# Altium PCB PCB_Kasli.PCBDOC (part 4 of 14)
Units mm, origin at the board's own origin, x right, y up, seen from the top; angles counter-clockwise.
Board outline 162.29 x 100 mm, 6 copper layers (TopLayer, MidLayer1, MidLayer2, SignalLayer1, Internal Plane 1, BottomLayer), stack 1.528 mm thick; 646 components, 567 nets, 2756 pads, 1560 vias.
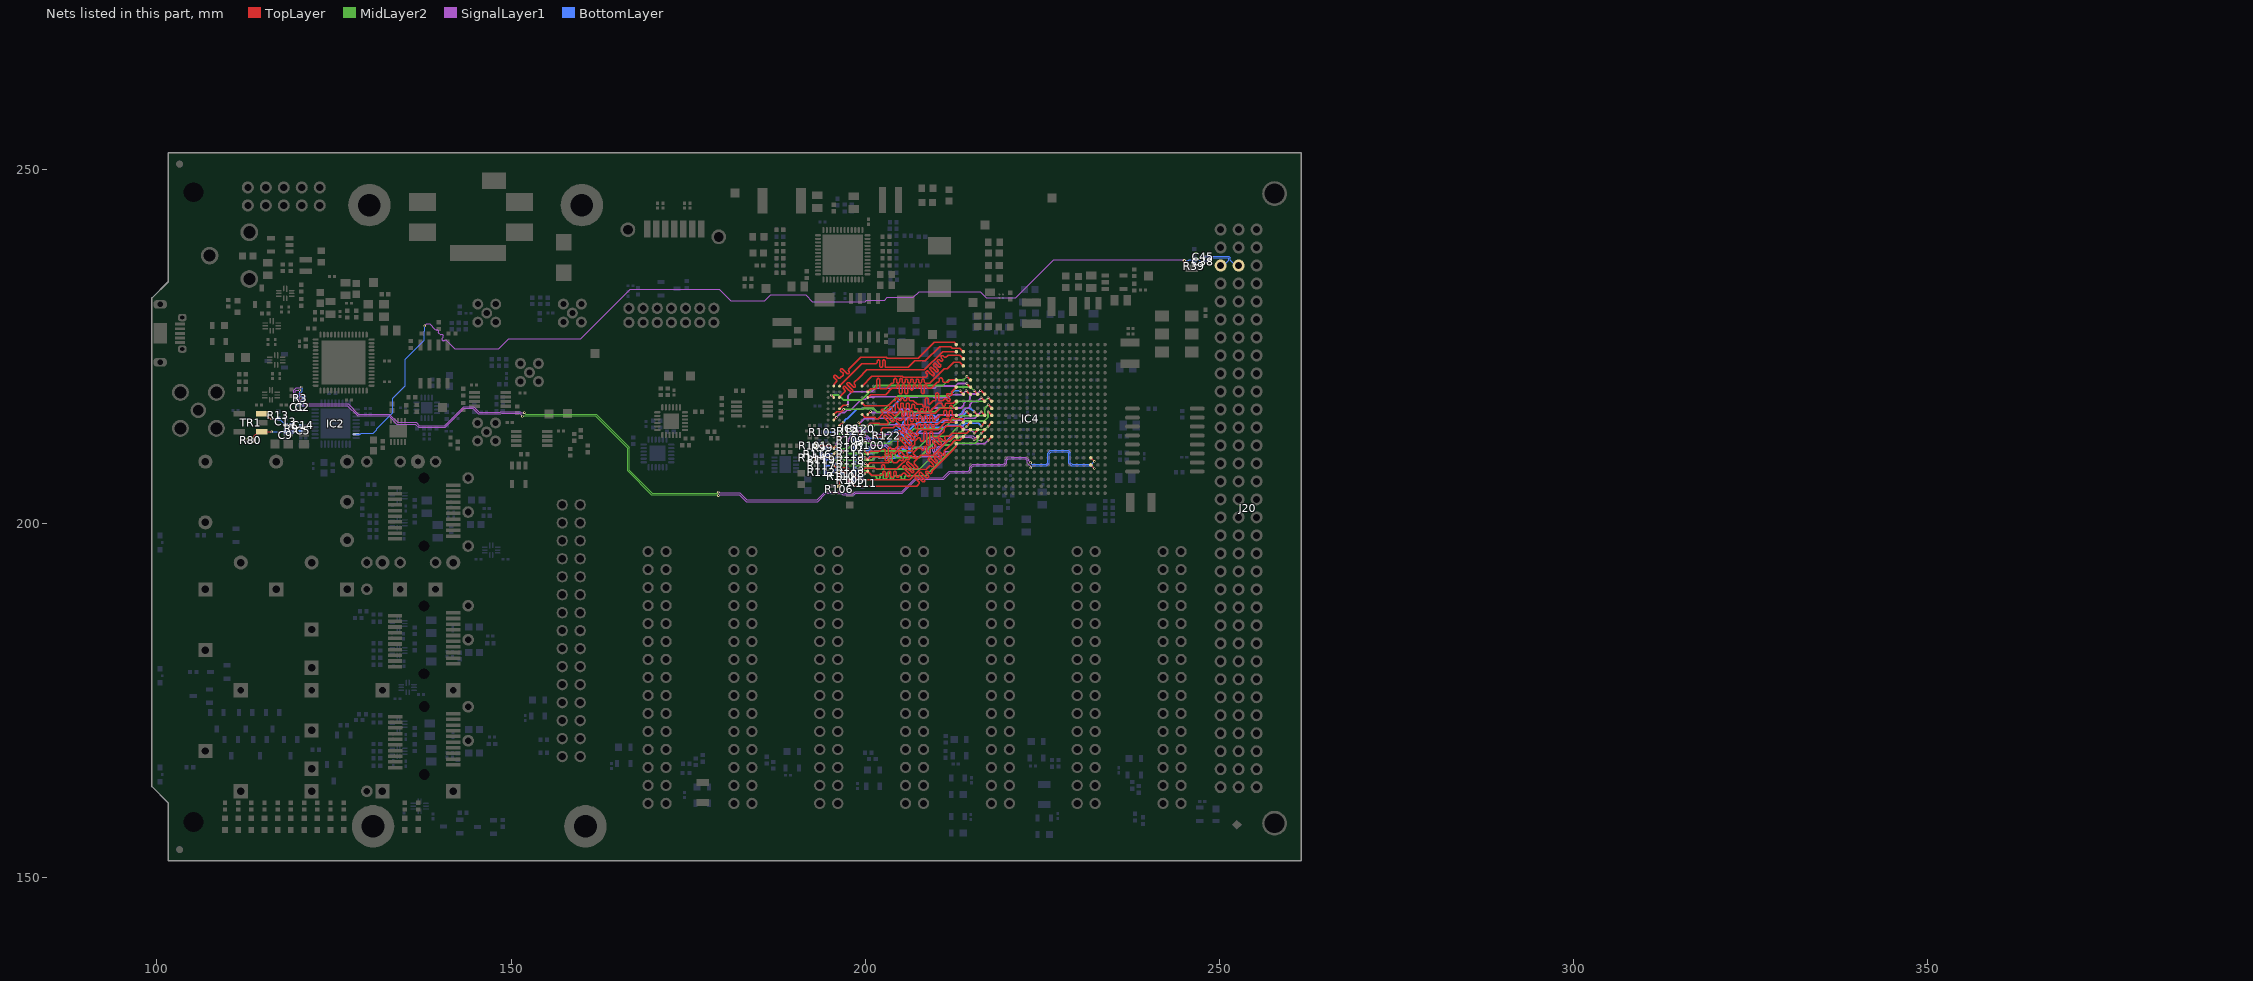
[diagram p8: the nets of this part, all layers, seen from the top]

## Via types
v1: diameter 0.5, hole 0.2, TopLayer to BottomLayer, tented both sides, 724 vias
v2: diameter 0.35, hole 0.15, TopLayer to BottomLayer, tented both sides, 628 vias
v3: diameter 0.8, hole 0.5, TopLayer to BottomLayer, tented both sides, 122 vias
v4: diameter 0.8, hole 0.5, TopLayer to BottomLayer, 66 vias
v5: diameter 0.5, hole 0.2, TopLayer to BottomLayer, 20 vias

## Nets (pads, with @x,y where several pads share a name; then routed paths per layer and width w, separated by ;. In a path a pad name is that pad's centre, name@x,y a point inside that pad or via, vN(x,y) a via of type N, cw(c..) or ccw(c..) an arc to the next point about the centre after c; other vN are vias at no path point) (continued)
CKOUT_D_2_P: C38.1 IC2.35 R39.2 | length 141.4
  SignalLayer1 w0.165: v2(137.795,227.955) 137.795,227.995 138.01,228.21 ; 138.05,228.25 138.5,228.25 139.25,227.5 139.414,227.336 cw(c139.549,227.201) 139.683,227.336 139.743,227.276 cw(c139.609,227.141) 139.743,227.007 140.072,226.678 cw(c140.206,226.544) 140.341,226.678 140.401,226.618 cw(c140.266,226.484) 140.401,226.349 140.299,226.248 ccw(c140.464,226.083) 140.299,225.919 ccw(c140.464,226.083) 140.628,225.919 ; 140.565,225.856 cw(c140.73,225.692) 140.894,225.856 141,225.75 142.025,224.725 148.297,224.725 149.697,226.125 159.825,226.125 166.825,233.125 179.403,233.125 181.042,231.486 185.836,231.486 186.675,232.325 191.595,232.325 192.54,231.38 200.01,231.38 200.23,231.6 202.75,231.6 203.125,231.975 206.822,231.975 207.636,232.789 216.261,232.789 217.1,231.95 221.272,231.95 226.622,237.3 241.5,237.3 244.924,237.3 v1(245.087,237.137)
  BottomLayer w0.095: IC2.35@128.122,212.649 128.695,212.649 128.826,212.78 130.516,212.78 131.045,213.309 131.045,213.445 133.309,215.709 133.309,217.709 135.07,219.47 135.07,223.245 137.77,225.945 137.77,227.225 137.795,227.25 v2(137.795,227.955) ; v1(245.087,237.137) 245.569,237.137 245.608,237.175 245.748,237.315 246.005,237.315 R39.2@246.45,236.87 246.845,237.265 247.11,237.265 C38.1@247.375,237
CLK_EXT_N: C45.2 J20.b3 | length 5.4
  BottomLayer w0.095: C45.2@248.075,237.725 248.348,237.725 248.398,237.775 251.111,237.775 251.361,237.775 251.545,237.591 251.545,237.25 252.321,236.474 J20.b3@252.73,236.474
CLK_EXT_P: C38.2 J20.c3 | length 5.2
  BottomLayer w0.095: C38.2@248.075,237 248.63,237.555 251.27,237.555 251.325,237.5 251.325,237.2 250.599,236.474 J20.c3@250.19,236.474
CLK_SMA_IN_N: C13.1 C14.1 R9.1 R13.2 TR1.1 | length 6.4
  TopLayer w0.095: TR1.1@114.815,215.537 115.272,215.537 115.976,214.833 v2(116.18,214.833)
  BottomLayer w0.095: v2(116.18,214.833) 117.145,214.833 117.289,214.833 C13.1@118.193,213.929 119.05,213.929 119.241,213.929 R9.1@119.25,213.92 ; R9.1@119.25,213.857 119.25,213.725 119.3,213.675 120.08,213.675 C14.1@120.3,213.895
CLK_SMA_IN_P: C5.1 C9.2 R9.2 R80.2 TR1.3 | length 7.2
  TopLayer w0.095: R80.2@113.695,211.825 113.695,212.345 TR1.3@114.347,212.997 ; TR1.3@114.815,212.997 v2(116.198,212.997)
  BottomLayer w0.095: v2(116.198,212.997) 119.233,212.997 R9.2@119.25,212.98 ; R9.2@118.988,213.133 C5.1@120.3,213.133
CLKREC_N: C2.1 IC4.V20 R3.1 | length 137.2
  TopLayer w0.095: IC4.V20@231.872,208.315 v2(232.372,207.815)
  MidLayer2 w0.115: v2(151.6,215.2) 151.778,215.2 151.828,215.25 161.9,215.25 166.45,210.7 166.45,207.468 169.828,204.09 179.218,204.09 179.284,204.024 v2(179.284,203.985)
  SignalLayer1 w0.115: v2(120.4,219.325) 120.318,219.243 119.686,219.243 119.29,218.847 119.29,218.028 120.628,216.69 126.885,216.69 128.32,215.255 132.712,215.255 133.886,214.081 136.503,214.081 136.969,213.615 140.715,213.615 143.4,216.3 144.619,216.3 145.4,215.519 148.572,215.519 148.66,215.607 151.192,215.607 v2(151.6,215.2) ; v2(179.284,203.985) 179.325,203.985 179.481,204.141 182.226,204.141 183.218,203.15 193.301,203.15 194.437,204.286 196.614,204.286 196.825,204.075 198.462,204.075 198.672,204.286 205.243,204.286 207.231,206.273 211.076,206.273 211.993,207.19 214.206,207.19 214.214,207.197 214.667,207.197 215.003,207.533 215.003,207.894 215.307,208.197 215.628,208.197 215.638,208.208 216.106,208.208 216.116,208.197 216.628,208.197 216.638,208.208 217.106,208.208 217.116,208.197 217.628,208.197 217.638,208.208 218.106,208.208 218.116,208.197 218.628,208.197 218.638,208.208 219.106,208.208 219.116,208.197 219.628,208.197 219.99,208.559 219.99,208.98 220.227,209.218 220.544,209.218 220.564,209.197 222.603,209.197 222.875,208.925 222.875,208.625 222.99,208.51 222.99,208.47 223.214,208.246 223.254,208.246 223.368,208.132 v2(223.368,207.899) 223.388,207.899 223.392,207.895 v2@223.381,207.885
  BottomLayer w0.095: v2(120.4,219.325) 120.4,219.3 120.525,219.175 120.525,219.052 120.525,218.743 120.503,218.722 120.503,218.706 120.373,218.576 120.373,218.072 R3.1@120.72,217.725 120.673,217.677 120.642,217.677 120.29,217.325 120.29,217.084 C2.1@120.573,216.8 ; v2(223.368,207.899) 223.691,208.223 225.653,208.223 225.992,208.562 225.992,209.882 226.262,210.151 228.563,210.151 228.752,209.961 228.752,208.553 229.118,208.187 229.526,208.187 ; 229.527,208.187 230.217,208.187 ; 230.218,208.187 230.526,208.187 231.217,208.187 231.526,208.187 ; 231.527,208.187 232,208.187 v2(232.372,207.815)
CLKREC_P: C1.1 IC4.U20 R3.2 | length 136.9
  TopLayer w0.095: IC4.U20@231.872,209.315 v2(232.372,208.815)
  MidLayer2 w0.115: v2(151.875,215.7) 152.09,215.485 161.997,215.485 166.685,210.797 166.685,207.565 169.925,204.325 179.083,204.325 179.125,204.367 179.166,204.367 v2(179.284,204.485)
  SignalLayer1 w0.115: v2(120.131,218.861) 119.636,218.861 119.525,218.75 119.525,218.125 ccw(c119.672,218.272) 119.818,218.125 120.02,218.327 cw(c120.167,218.18) 120.313,218.327 cw(c120.167,218.18) 120.313,218.033 120.112,217.832 ccw(c120.259,217.685) 120.112,217.538 ccw(c120.259,217.685) 120.405,217.538 120.607,217.74 cw(c120.754,217.593) 120.9,217.74 cw(c120.754,217.593) 120.9,217.446 120.699,217.245 ccw(c120.846,217.098) 120.699,216.951 120.725,216.925 120.775,216.925 126.982,216.925 128.417,215.49 132.81,215.49 133.984,214.316 136.6,214.316 137.066,213.85 140.618,213.85 143.303,216.535 144.717,216.535 145.497,215.754 148.475,215.754 148.563,215.842 151.29,215.842 151.367,215.765 151.416,215.716 151.859,215.716 v2(151.875,215.7) ; v2(179.284,204.485) 179.363,204.485 179.472,204.376 182.324,204.376 183.315,203.385 193.204,203.385 194.34,204.521 196.712,204.521 196.922,204.31 198.364,204.31 198.575,204.521 205.146,204.521 207.133,206.508 210.979,206.508 211.895,207.425 214.109,207.425 214.116,207.432 214.57,207.432 214.768,207.631 214.768,207.991 215.21,208.432 215.53,208.432 215.54,208.443 216.204,208.443 216.214,208.432 216.53,208.432 216.54,208.443 217.204,208.443 217.214,208.432 217.53,208.432 217.54,208.443 218.204,208.443 218.214,208.432 218.53,208.432 218.541,208.443 219.204,208.443 219.214,208.432 219.53,208.432 219.755,208.657 219.755,209.077 220.13,209.453 220.642,209.453 220.662,209.432 222.7,209.432 223.11,209.022 223.11,208.89 v2(223.372,208.628)
  BottomLayer w0.095: C1.1@119.811,216.8 120.095,217.084 120.095,217.41 R3.2@119.78,217.725 120.153,218.098 120.131,218.119 v2(120.131,218.861) ; v2(223.372,208.628) 223.558,208.443 225.562,208.443 225.772,208.653 225.772,209.973 226.17,210.371 228.654,210.371 228.972,210.053 228.972,208.644 229.209,208.407 229.617,208.407 ; 229.618,208.407 230.126,208.407 230.617,208.407 231.126,208.407 231.617,208.407 231.964,208.407 v2(232.372,208.815)
DDR3_A0: IC4.L6 IC8.N3 R119.1 | length 27.5
  TopLayer w0.19: v2(195.985,209.51) 196.032,209.51 196.367,209.846 IC8.N3@196.367,209.849 ; v2(217.372,215.815) IC4.L6@217.872,215.315
  MidLayer2 w0.24: v2(195.985,209.51) 197.085,209.51 197.5,209.925 199.707,209.925 199.776,209.855 200.145,209.855 200.365,210.075 201.798,210.075 202.017,210.294 204.925,210.294 206.544,210.294 207.025,210.775 207.585,210.775 209.176,212.366 211.87,212.366 211.895,212.39 212.155,212.651 212.155,212.755 213.925,214.525 216.825,214.525 217.35,215.05 217.35,215.793 v2(217.372,215.815)
  BottomLayer w0.19: R119.1@194.445,209.125 194.505,209.065 195.54,209.065 v2(195.985,209.51)
DDR3_A1: IC4.M5 IC8.P7 R118.1 | length 24.6
  TopLayer w0.19: v2(199.15,209.466) IC8.P7@199.567,209.049 ; v2(216.372,213.815) IC4.M5@216.872,214.315
  BottomLayer w0.19: R118.1@198.47,208.925 198.609,208.925 v2(199.15,209.466) 199.626,208.99 200.996,208.99 201.475,209.469 201.823,209.469 202.017,209.275 204.15,209.275 205.15,210.275 205.314,210.439 cw(c205.487,210.266) 205.661,210.439 206.022,210.078 ccw(c206.195,210.251) 206.368,210.078 ccw(c206.195,210.251) 206.368,210.424 205.834,210.959 205.661,211.132 cw(c205.834,211.305) 205.661,211.479 cw(c205.834,211.305) 206.007,211.479 ccw(c206.18,211.652) 206.354,211.479 206.527,211.652 206.7,211.825 207,212.125 207,212.35 207.9,213.25 208.32,213.67 211.261,213.67 211.501,213.91 213.873,213.91 214.198,214.235 215.94,214.235 216.069,214.106 216.081,214.106 v2(216.372,213.815)
DDR3_A2: IC4.P6 IC8.P3 R117.1 | length 26.2
  TopLayer w0.19: v2(195.985,208.61) 195.972,208.61 195.96,208.622 195.96,208.642 IC8.P3@196.367,209.049 ; v2(217.372,211.815) IC4.P6@217.872,212.315
  SignalLayer1 w0.24: v2(195.985,208.61) 195.96,208.635 196.445,209.12 196.959,209.12 197.114,208.965 200.144,208.965 200.673,209.494 201.927,209.494 202.017,209.404 202.385,209.404 202.475,209.494 210.7,209.494 211.381,210.175 211.975,210.175 213.1,211.3 216.857,211.3 v2(217.372,211.815)
  BottomLayer w0.19: R117.1@194.345,208.35 194.48,208.215 195.59,208.215 v2(195.985,208.61)
DDR3_A3: IC4.K6 IC8.N2 R116.1 | length 28.1
  TopLayer w0.19: IC8.N2@195.567,209.849 195.813,210.095 v2(195.871,210.095) ; v2(217.375,216.812) IC4.K6@217.872,216.315
  MidLayer2 w0.24: v2(195.871,210.095) 196.154,210.095 196.639,210.58 197.53,210.58 198.5,211.55 199.666,211.55 199.825,211.39 203.465,211.39 203.875,211.8 205.225,211.8 206.85,213.425 211.055,213.425 212.405,214.775 213.05,214.775 213.54,215.265 216.54,215.265 216.875,215.6 216.875,216.3 217.375,216.8 v2(217.375,216.812)
  BottomLayer w0.19: R116.1@193.905,209.69 194.771,209.69 194.986,209.905 195.334,209.905 195.339,209.9 195.674,209.9 v2(195.871,210.095)
DDR3_A4: IC4.M1 IC8.P8 R115.1 | length 27.6
  TopLayer w0.19: v2@199.92,209.5 199.96,209.46 v2(199.96,209.41) 200.006,209.41 IC8.P8@200.367,209.049 200.787,209.469 201.004,209.469 201.008,209.465 201.326,209.465 201.33,209.469 201.987,209.469 202.106,209.35 202.225,209.35 202.42,209.35 cw(c202.565,209.35) 202.565,209.495 202.665,209.495 cw(c202.665,209.35) 202.81,209.35 202.81,209.103 ccw(c203.005,209.103) 203.005,208.908 ccw(c203.005,209.103) 203.2,209.103 203.2,209.155 cw(c203.395,209.155) 203.395,209.35 203.575,209.35 203.65,209.425 ccw(c203.512,209.563) 203.65,209.701 203.594,209.757 cw(c203.732,209.895) 203.594,210.033 cw(c203.732,209.895) 203.87,210.033 203.926,209.977 ccw(c204.064,210.114) 204.202,209.977 204.339,210.114 204.4,210.175 205.075,210.85 205.119,210.894 cw(c205.257,210.756) 205.395,210.894 205.63,210.659 ccw(c205.768,210.797) 205.906,210.659 ccw(c205.768,210.797) 205.906,210.934 205.532,211.307 204.936,211.904 cw(c205.074,212.042) 204.936,212.18 cw(c205.074,212.042) 205.212,212.18 205.808,211.583 206.231,211.16 ccw(c206.369,211.298) 206.507,211.16 ccw(c206.369,211.298) 206.507,211.436 206.084,211.859 205.643,212.3 cw(c205.78,212.438) 205.643,212.576 cw(c205.78,212.438) 205.918,212.576 206.36,212.135 206.575,211.92 ccw(c206.713,212.058) 206.851,211.92 ccw(c206.713,212.058) 206.851,212.196 206.636,212.411 206.194,212.852 cw(c206.332,212.99) 206.194,213.128 cw(c206.332,212.99) 206.47,213.128 206.911,212.686 207.141,212.456 ccw(c207.279,212.594) 207.417,212.456 ccw(c207.279,212.594) 207.417,212.732 207.325,212.824 cw(c207.463,212.962) 207.325,213.1 207.5,213.275 210.3,213.275 211.34,214.315 212.475,214.315 IC4.M1@212.872,214.315
  BottomLayer w0.19: R115.1@198.47,209.85 198.506,209.886 199.324,209.886 199.8,209.41 v2(199.96,209.41)
DDR3_A5: IC4.M3 IC8.P2 R114.1 | length 27.8
  TopLayer w0.19: R114.1@193.189,209.419 193.255,209.485 194.588,209.485 194.608,209.465 194.926,209.465 194.946,209.485 v2(195.16,209.485) 195.16,209.476 195.15,209.466 IC8.P2@195.567,209.049 ; v2(214.372,213.815) IC4.M3@214.872,214.315
  MidLayer2 w0.24: v2(195.16,209.485) 195.31,209.485 195.74,209.055 196.526,209.055 196.591,209.12 196.959,209.12 197.114,208.965 200.936,208.965 201.465,209.494 201.833,209.494 202.002,209.325 202.6,209.325 ccw(c202.6,209.565) 202.84,209.565 202.84,209.685 cw(c203.08,209.685) 203.08,209.925 cw(c203.08,209.685) 203.32,209.685 203.32,209.325 203.32,208.933 ccw(c203.56,208.933) 203.56,208.693 ccw(c203.56,208.933) 203.8,208.933 203.8,209.325 203.8,209.685 cw(c204.04,209.685) 204.04,209.925 cw(c204.04,209.685) 204.28,209.685 204.28,209.565 ccw(c204.52,209.565) 204.52,209.325 205.175,209.325 207.65,209.325 209.975,211.65 211.975,211.65 213.25,212.925 213.482,212.925 v2(214.372,213.815)
DDR3_A6: IC4.N2 IC8.R8 R113.1 | length 28.1
  TopLayer w0.19: v2(200.038,208.52) 200.096,208.52 IC8.R8@200.367,208.249 200.751,208.633 201.471,208.633 201.475,208.629 203.2,208.629 203.226,208.629 ccw(c203.226,208.823) 203.42,208.823 cw(c203.64,208.823) 203.64,209.043 cw(c203.64,208.823) 203.86,208.823 ccw(c204.054,208.823) 204.054,208.629 204.3,208.629 204.429,208.629 ; 203.945,208.62 204.42,208.62 204.429,208.629 ; 206.307,210.288 ccw(c206.197,210.178) 206.087,210.288 205.946,210.146 ccw(c206.063,210.029) 205.946,209.912 cw(c205.79,209.757) 205.946,209.601 cw(c205.79,209.757) 205.635,209.601 205.518,209.718 205.083,210.153 ccw(c204.928,209.997) 204.772,210.153 ccw(c204.928,209.997) 204.772,209.842 205.207,209.407 205.317,209.297 cw(c205.161,209.142) 205.317,208.986 cw(c205.161,209.142) 205.005,208.986 ccw(c204.896,208.876) 204.786,208.986 204.585,208.785 204.429,208.629 ; 206.308,210.287 ccw(c206.463,210.442) 206.619,210.287 ccw(c206.463,210.442) 206.619,210.598 cw(c206.729,210.708) 206.619,210.819 206.819,211.019 206.975,211.175 206.975,211.65 207.5,212.175 207.585,212.175 cw(c207.585,211.955) 207.805,211.955 207.805,211.857 ccw(c208.025,211.857) 208.025,211.637 ccw(c208.025,211.857) 208.245,211.857 208.245,212.175 208.245,212.776 cw(c208.465,212.776) 208.465,212.996 cw(c208.465,212.776) 208.685,212.776 208.685,212.175 208.685,211.33 ccw(c208.905,211.33) 208.905,211.11 ccw(c208.905,211.33) 209.125,211.33 209.125,212.175 209.125,212.776 cw(c209.345,212.776) 209.345,212.996 cw(c209.345,212.776) 209.565,212.776 209.565,212.395 ccw(c209.785,212.395) 209.785,212.175 210.005,212.175 210.225,212.175 210.397,212.347 210.708,212.658 211.019,212.969 211.175,213.125 211.2,213.15 211.2,213.5 211.45,213.75 213.437,213.75 IC4.N2@213.872,213.315
  BottomLayer w0.19: R113.1@198.47,208 198.47,208.02 198.97,208.52 v2(200.038,208.52)
DDR3_A7: IC4.M6 IC8.R2 R112.1 | length 27.6
  TopLayer w0.19: IC8.R2@195.567,208.249 195.975,207.841 v2(195.975,207.825) ; v2(217.372,213.815) IC4.M6@217.872,214.315
  MidLayer2 w0.24: v2(195.975,207.825) 196.38,208.23 196.959,208.23 196.979,208.25 199.679,208.25 199.854,208.075 201.25,208.075 201.585,207.74 204.85,207.74 207.275,207.74 207.715,207.74 211.1,211.125 212.15,211.125 213.362,212.337 213.837,212.337 214.8,213.3 216.9,213.3 217.372,213.772 v2(217.372,213.815)
  BottomLayer w0.19: R112.1@194.345,207.45 194.545,207.25 195.4,207.25 v2(195.975,207.825) ; v2(217.372,213.815) v2@217.372,213.853
DDR3_A8: IC4.P1 IC8.T8 R111.1 | length 28.3
  TopLayer w0.19: v2(199.975,207.057) IC8.T8@200.367,207.449 200.951,206.865 202.3,206.865 ccw(c202.3,207.055) 202.49,207.055 202.49,207.228 cw(c202.68,207.228) 202.68,207.418 cw(c202.68,207.228) 202.87,207.228 202.87,206.865 202.87,206.762 ccw(c203.06,206.762) 203.06,206.572 ccw(c203.06,206.762) 203.25,206.762 203.25,206.865 203.25,207.228 cw(c203.44,207.228) 203.44,207.418 cw(c203.44,207.228) 203.63,207.228 203.63,206.865 203.63,206.762 ccw(c203.82,206.762) 203.82,206.572 ccw(c203.82,206.762) 204.01,206.762 204.01,206.865 204.01,207.228 cw(c204.2,207.228) 204.2,207.418 cw(c204.2,207.228) 204.39,207.228 204.39,206.865 204.39,206.762 ccw(c204.58,206.762) 204.58,206.572 ccw(c204.58,206.762) 204.77,206.762 ; 204.77,206.68 cw(c204.955,206.68) 204.955,206.865 205.073,206.865 205.207,206.999 205.341,207.134 cw(c205.476,206.999) 205.61,207.134 206.017,206.727 ccw(c206.152,206.861) 206.286,206.727 ccw(c206.152,206.861) 206.286,206.995 205.744,207.537 205.383,207.898 cw(c205.517,208.033) 205.383,208.167 cw(c205.517,208.033) 205.652,208.167 206.013,207.806 206.555,207.264 ccw(c206.689,207.398) 206.823,207.264 ccw(c206.689,207.398) 206.823,207.533 206.282,208.074 205.92,208.436 cw(c206.055,208.57) 205.92,208.705 cw(c206.055,208.57) 206.189,208.705 206.551,208.343 207.092,207.801 ccw(c207.226,207.936) 207.361,207.801 ccw(c207.226,207.936) 207.361,208.07 206.954,208.477 cw(c207.088,208.612) 206.954,208.746 207.225,209.017 207.883,209.675 209.586,209.675 211.786,211.875 212.025,211.875 212.465,212.315 IC4.P1@212.872,212.315 ; 204.77,206.681 204.77,206.762
  BottomLayer w0.19: R111.1@199.625,206.17 199.625,206.707 v2(199.975,207.057)
DDR3_A9: IC4.P2 IC8.R3 R110.1 | length 28.6
  TopLayer w0.19: v2(196.775,208.675) 196.775,208.666 196.367,208.258 IC8.R3@196.367,208.249 196.691,207.925 197.367,207.925 199.067,206.225 206.275,206.225 207.775,207.725 208.624,207.725 208.774,207.875 208.908,208.009 209.043,208.144 cw(c209.177,208.009) 209.311,208.144 209.355,208.1 ccw(c209.49,208.234) 209.624,208.1 ccw(c209.49,208.234) 209.624,208.368 209.446,208.547 208.939,209.054 cw(c209.073,209.188) 208.939,209.322 cw(c209.073,209.188) 209.208,209.322 209.714,208.815 209.893,208.637 ccw(c210.027,208.772) 210.161,208.637 ccw(c210.027,208.772) 210.161,208.906 209.983,209.084 209.843,209.225 cw(c209.977,209.359) 209.843,209.493 cw(c209.977,209.359) 210.111,209.493 210.252,209.353 210.43,209.175 ccw(c210.564,209.309) 210.699,209.175 ccw(c210.564,209.309) 210.699,209.443 210.521,209.622 210.38,209.762 cw(c210.514,209.896) 210.38,210.031 cw(c210.514,209.896) 210.649,210.031 210.789,209.89 210.967,209.712 ccw(c211.102,209.846) 211.236,209.712 ccw(c211.102,209.846) 211.236,209.981 211.192,210.025 cw(c211.327,210.159) 211.192,210.293 211.874,210.975 212.382,211.483 212.382,211.518 212.669,211.805 213.362,211.805 IC4.P2@213.872,212.315
  BottomLayer w0.19: R110.1@196.625,207.22 196.625,208.525 v2(196.775,208.675)
DDR3_A10: IC4.L4 IC8.L7 R109.1 | length 25.1
  TopLayer w0.19: IC8.L7@199.567,211.449 200.01,211.892 v2(200.01,211.835) ; v2(215.372,215.815) IC4.L4@215.872,215.315
  BottomLayer w0.19: R109.1@198.47,211.7 198.605,211.835 v2(200.01,211.835) 200.271,212.097 202.425,212.097 203.303,212.975 204,212.975 204.134,213.109 204.269,213.244 cw(c204.403,213.109) 204.537,213.244 204.668,213.113 ccw(c204.802,213.248) 204.936,213.113 ccw(c204.802,213.248) 204.936,213.382 204.672,213.647 204.407,213.911 cw(c204.542,214.046) 204.407,214.18 cw(c204.542,214.046) 204.676,214.18 204.94,213.915 205.205,213.651 ccw(c205.339,213.785) 205.474,213.651 ccw(c205.339,213.785) 205.474,213.92 205.344,214.05 cw(c205.478,214.184) 205.343,214.318 205.675,214.65 206.35,215.325 207.725,215.325 cw(c207.725,215.085) 207.965,215.085 207.965,214.884 ccw(c208.21,214.884) 208.21,214.639 ccw(c208.21,214.884) 208.455,214.884 208.455,215.08 cw(c208.7,215.08) 208.7,215.325 209.55,215.325 209.62,215.325 cw(c209.62,215.08) 209.865,215.08 209.865,214.884 ccw(c210.11,214.884) 210.11,214.639 ccw(c210.11,214.884) 210.355,214.884 210.355,215.08 cw(c210.6,215.08) 210.6,215.325 213.336,215.325 213.461,215.45 213.461,215.468 213.705,215.712 213.705,215.83 214.2,216.325 214.862,216.325 v2(215.372,215.815)
DDR3_A11: IC4.N5 IC8.R7 R108.1 | length 26.7
  TopLayer w0.19: v2(199.11,207.76) 199.11,207.776 199.567,208.233 IC8.R7@199.567,208.249 ; v2(216.372,212.815) IC4.N5@216.872,213.315
  MidLayer2 w0.24: v2(199.11,207.76) 199.137,207.76 199.395,207.502 200.159,207.502 200.886,206.775 201.126,206.775 201.366,206.775 cw(c201.366,206.535) 201.606,206.535 201.606,206.528 ccw(c201.846,206.528) 201.846,206.288 ccw(c201.846,206.528) 202.086,206.528 202.086,206.775 202.086,206.853 cw(c202.326,206.853) 202.326,207.093 cw(c202.326,206.853) 202.566,206.853 202.566,206.775 202.566,206.528 ccw(c202.806,206.528) 202.806,206.288 ccw(c202.806,206.528) 203.046,206.528 203.046,206.775 203.046,207.022 cw(c203.286,207.022) 203.286,207.262 cw(c203.286,207.022) 203.526,207.022 203.526,206.775 203.526,206.528 ccw(c203.766,206.528) 203.766,206.288 ccw(c203.766,206.528) 204.006,206.528 204.006,206.535 cw(c204.246,206.535) 204.246,206.775 204.375,206.775 204.615,206.775 204.855,206.775 cw(c204.855,206.535) 205.095,206.535 205.095,206.528 ccw(c205.335,206.528) 205.335,206.288 ccw(c205.335,206.528) 205.575,206.528 205.575,206.535 cw(c205.815,206.535) 205.815,206.775 206.68,206.775 208.55,206.775 213.15,211.375 213.155,211.37 215.556,211.37 215.875,211.689 215.875,212.318 v2(216.372,212.815)
  BottomLayer w0.19: R108.1@198.47,207.12 v2(199.11,207.76)
DDR3_A12: IC4.L3 IC8.N7 R107.1 | length 24
  TopLayer w0.19: v2(199.035,210.435) 199.035,210.381 IC8.N7@199.567,209.849 ; v2(214.372,215.815) IC4.L3@214.872,215.315
  BottomLayer w0.19: R107.1@198.47,210.775 198.875,210.37 198.969,210.37 v2(199.035,210.435) 199.187,210.435 199.742,209.88 200.134,209.88 200.139,209.875 200.95,209.875 200.95,209.9 201.275,210.225 201.95,210.225 203.475,211.75 204.801,211.75 ccw(c204.592,211.959) 204.801,212.167 204.687,212.281 cw(c204.895,212.49) 204.687,212.698 cw(c204.895,212.49) 205.104,212.698 205.427,212.376 205.933,211.869 ccw(c206.142,212.078) 206.35,211.869 ccw(c206.142,212.078) 206.35,212.287 205.844,212.793 205.634,213.002 cw(c205.843,213.211) 205.634,213.42 cw(c205.843,213.211) 206.052,213.42 ; 206.052,213.419 ccw(c206.261,213.627) 206.47,213.419 206.526,213.475 207.411,214.36 210.975,214.36 211.215,214.6 213.157,214.6 v2(214.372,215.815)
DDR3_A13: IC4.R1 IC8.T3 R106.1 | length 28.4
  TopLayer w0.19: R106.1@196.35,205.37 196.37,205.39 IC8.T3@196.37,207.446 ; IC8.T3@196.367,207.449 196.976,207.449 197.383,207.042 197.383,206.433 198.491,205.325 200.5,205.325 207.1,205.325 207.288,205.325 207.463,205.5 207.601,205.638 ccw(c207.463,205.776) 207.601,205.914 207.118,206.397 cw(c207.255,206.535) 207.118,206.673 cw(c207.255,206.535) 207.393,206.673 208.015,206.052 208.092,205.975 ccw(c208.23,206.113) 208.368,205.975 ccw(c208.23,206.113) 208.368,206.25 208.291,206.328 207.669,206.949 cw(c207.807,207.087) 207.669,207.225 cw(c207.807,207.087) 207.945,207.225 208.566,206.603 208.641,206.529 ccw(c208.779,206.667) 208.917,206.529 ccw(c208.779,206.667) 208.917,206.805 208.842,206.879 208.595,207.126 cw(c208.733,207.264) 208.595,207.402 cw(c208.733,207.264) 208.871,207.402 209.118,207.155 ccw(c209.24,207.277) 209.362,207.155 209.394,207.187 ccw(c209.272,207.309) 209.394,207.431 209.532,207.568 212.157,210.193 212.157,210.213 212.872,210.929 IC4.R1@212.872,211.315
DDR3_A14: IC4.N3 IC8.T7 R105.1 | length 26.9
  TopLayer w0.19: v2(199.193,207.075) IC8.T7@199.567,207.449 199.951,207.833 201.326,207.833 201.394,207.765 202.15,207.765 ccw(c202.15,207.96) 202.345,207.96 202.345,208.155 cw(c202.54,208.155) 202.54,208.35 cw(c202.54,208.155) 202.735,208.155 202.735,207.96 ccw(c202.93,207.96) 202.93,207.765 203.125,207.765 203.515,207.765 203.905,207.765 204.295,207.765 204.49,207.765 204.628,207.903 204.904,208.179 205.112,208.388 205.587,208.863 205.65,208.925 205.821,209.096 cw(c205.878,209.039) 205.936,209.096 ccw(c206.073,209.234) 206.211,209.096 ccw(c206.073,209.234) 206.211,209.372 cw(c206.269,209.429) 206.211,209.486 206.292,209.567 cw(c206.43,209.429) 206.568,209.567 206.836,209.299 ccw(c206.974,209.436) 207.112,209.299 ccw(c206.974,209.436) 207.112,209.574 206.843,209.843 cw(c206.981,209.981) 206.843,210.118 206.981,210.256 207.257,210.532 207.395,210.67 207.55,210.67 207.881,210.67 cw(c207.881,210.611) 207.94,210.611 ccw(c208.135,210.611) 208.135,210.416 ccw(c208.135,210.611) 208.33,210.611 208.33,210.67 208.33,210.75 cw(c208.525,210.75) 208.525,210.945 cw(c208.525,210.75) 208.72,210.75 208.72,210.67 208.72,210.149 ccw(c208.915,210.149) 208.915,209.954 ccw(c208.915,210.149) 209.11,210.149 209.11,210.475 cw(c209.305,210.475) 209.305,210.67 209.5,210.67 209.695,210.67 209.783,210.758 209.921,210.896 ccw(c209.783,211.034) 209.921,211.172 209.586,211.507 cw(c209.724,211.645) 209.586,211.783 cw(c209.724,211.645) 209.862,211.783 210.335,211.31 210.443,211.202 ccw(c210.58,211.34) 210.718,211.202 ccw(c210.58,211.34) 210.718,211.478 210.611,211.586 210.458,211.738 cw(c210.596,211.876) 210.458,212.014 cw(c210.596,211.876) 210.734,212.014 210.886,211.861 210.994,211.754 ccw(c211.132,211.892) 211.27,211.754 ccw(c211.132,211.892) 211.27,212.029 cw(c211.378,212.137) 211.27,212.245 211.3,212.275 211.416,212.391 211.859,212.391 212.284,212.815 214.372,212.815 IC4.N3@214.872,213.315
  BottomLayer w0.19: R105.1@198.47,206.175 199.193,206.898 v2(199.193,207.075)
DDR3_BA0: IC4.L5 IC8.M2 R101.1 | length 26.5
  TopLayer w0.19: R101.1@193.151,211.019 194.594,211.019 194.608,211.033 194.926,211.033 194.94,211.019 195.197,211.019 IC8.M2@195.567,210.649 195.853,210.935 v2(195.86,210.935) ; v2(216.372,215.815) IC4.L5@216.872,215.315
  SignalLayer1 w0.24: v2(195.86,210.935) 195.86,211.331 196.33,211.801 196.33,211.805 198.275,213.75 200.3,213.75 200.525,213.975 203.325,213.975 205.675,213.975 210.125,213.975 210.775,214.625 213.772,214.625 214.072,214.925 215.482,214.925 v2(216.372,215.815)
  BottomLayer w0.19: v2(216.372,215.815) v2@216.372,215.828
DDR3_BA1: IC4.M2 IC8.N8 R100.1 | length 26.5
  TopLayer w0.19: v2(199.961,210.3) 199.961,210.255 IC8.N8@200.367,209.849 200.747,210.229 201.004,210.229 201.008,210.233 201.326,210.233 201.33,210.229 201.987,210.229 202.283,210.525 202.478,210.525 202.673,210.525 cw(c202.673,210.33) 202.868,210.33 202.868,209.824 ccw(c203.063,209.824) 203.063,209.629 ccw(c203.063,209.824) 203.258,209.824 203.258,210.525 203.258,210.63 cw(c203.453,210.63) 203.453,210.825 cw(c203.453,210.63) 203.648,210.63 ccw(c203.753,210.63) 203.753,210.525 204.038,210.525 204.194,210.525 204.6,210.931 204.6,211.126 204.6,211.516 204.6,211.65 204.6,212.25 204.625,212.275 204.683,212.333 204.821,212.471 ccw(c204.683,212.609) 204.821,212.747 204.739,212.829 cw(c204.877,212.967) 204.739,213.105 cw(c204.877,212.967) 205.015,213.105 205.235,212.885 205.266,212.853 ccw(c205.404,212.991) 205.542,212.853 ccw(c205.404,212.991) 205.542,213.129 205.511,213.161 205.226,213.445 cw(c205.364,213.583) 205.226,213.721 cw(c205.364,213.583) 205.502,213.721 205.786,213.436 205.818,213.405 ccw(c205.956,213.543) 206.094,213.405 ccw(c205.956,213.543) 206.094,213.681 cw(c206.125,213.712) 206.094,213.744 206.2,213.85 206.475,214.125 206.67,214.125 206.865,214.125 cw(c206.865,213.93) 207.06,213.93 207.06,213.681 ccw(c207.255,213.681) 207.255,213.486 ccw(c207.255,213.681) 207.45,213.681 207.45,213.93 cw(c207.645,213.93) 207.645,214.125 cw(c207.645,213.93) 207.84,213.93 207.84,213.749 ccw(c208.035,213.749) 208.035,213.554 ccw(c208.035,213.749) 208.23,213.749 208.23,213.93 cw(c208.425,213.93) 208.425,214.125 cw(c208.425,213.93) 208.62,213.93 208.62,213.749 ccw(c208.815,213.749) 208.815,213.554 ccw(c208.815,213.749) 209.01,213.749 209.01,213.93 cw(c209.205,213.93) 209.205,214.125 cw(c209.205,213.93) 209.4,213.93 209.4,213.749 ccw(c209.595,213.749) 209.595,213.554 ccw(c209.595,213.749) 209.79,213.749 209.79,213.93 cw(c209.985,213.93) 209.985,214.125 210.18,214.125 210.25,214.125 210.355,214.125 211.051,214.821 211.2,214.821 211.395,214.821 211.753,214.821 cw(c211.753,214.789) 211.785,214.789 ccw(c211.98,214.789) 211.98,214.594 ccw(c211.98,214.789) 212.175,214.789 212.175,214.821 212.175,214.851 cw(c212.37,214.851) 212.37,215.046 cw(c212.37,214.851) 212.565,214.851 ccw(c212.595,214.851) 212.595,214.821 212.955,214.821 213.075,214.821 213.704,214.821 213.872,214.653 IC4.M2@213.872,214.315
  BottomLayer w0.19: v2(199.961,210.3) 200.363,210.3 R100.1@200.705,210.641
DDR3_BA2: IC4.N4 IC8.M3 R99.1 | length 26.9
  TopLayer w0.19: IC8.M3@196.367,210.649 196.823,210.193 v2(196.823,210.135) ; v2(215.372,212.815) IC4.N4@215.872,213.315
  SignalLayer1 w0.24: v2(196.823,210.135) 196.823,210.298 197.612,211.087 197.612,211.962 198.775,213.125 198.78,213.12 200.134,213.12 200.249,213.005 200.894,213.005 201.234,212.665 203.736,212.665 203.991,212.92 204.359,212.92 204.479,212.8 205.075,212.8 ccw(c205.075,213.07) 205.345,213.07 cw(c205.615,213.07) 205.615,213.34 cw(c205.615,213.07) 205.885,213.07 205.885,212.8 205.885,212.52 ccw(c206.155,212.52) 206.155,212.25 ccw(c206.155,212.52) 206.425,212.52 206.425,212.53 cw(c206.695,212.53) 206.695,212.8 207.43,212.8 210.381,212.8 211.351,213.77 213.698,213.77 214.168,213.3 214.925,213.3 215.372,212.853 v2(215.372,212.815)
  BottomLayer w0.19: R99.1@194.69,210.72 194.715,210.745 195.456,210.745 195.686,210.515 196.413,210.515 196.793,210.135 v2(196.823,210.135)
DDR3_CAS_N: IC4.J6 IC8.K3 R103.1 | length 26.4
  TopLayer w0.19: v2(195.96,212.685) 195.96,212.656 IC8.K3@196.367,212.249 ; v2(217.372,217.815) IC4.J6@217.872,217.315
  MidLayer2 w0.24: v2(195.96,212.685) 197.36,212.685 198.505,213.83 200.355,213.83 200.55,214.025 203.25,214.025 205.05,215.825 209.9,215.825 210.425,216.35 212.225,216.35 213.2,217.325 213.233,217.325 213.253,217.305 216.862,217.305 v2(217.372,217.815)
  BottomLayer w0.19: R103.1@194.545,212.95 194.58,212.915 195.73,212.915 v2(195.96,212.685)
DDR3_CK_N: IC4.P4 IC8.K7 R121.2 | length 25.2
  TopLayer w0.095: v2@199.181,212.635 IC8.K7@199.567,212.249 ; v2(215.375,211.875) 215.432,211.875 IC4.P4@215.872,212.315
  SignalLayer1 w0.115: v2(199.11,212.635) 199.527,212.218 200.168,212.218 200.392,211.994 200.392,211.753 201.02,211.125 202.668,211.125 203.386,210.406 204.431,210.406 204.69,210.665 208.406,210.665 cw(c208.406,210.525) 208.546,210.525 208.546,210.28 ccw(c208.921,210.28) 209.296,210.28 209.296,211.821 cw(c209.436,211.821) 209.576,211.821 209.576,210.28 ccw(c209.951,210.28) 210.326,210.28 210.326,210.525 cw(c210.466,210.525) 210.466,210.665 210.69,210.665 212.222,212.197 214.989,212.197 215.312,211.875 v2(215.375,211.875)
  BottomLayer w0.095: R121.2@198.025,212.605 v2@199.079,212.605
DDR3_CK_P: IC4.P5 IC8.J7 R120.2 | length 25.1
  TopLayer w0.095: IC8.J7@199.567,213.049 199.572,213.049 199.945,212.675 v2(199.95,212.675) ; v2(216.372,211.815) IC4.P5@216.872,212.315
  SignalLayer1 w0.115: v2(199.95,212.675) 200.172,212.453 200.266,212.453 200.627,212.091 200.627,211.85 201.117,211.36 202.765,211.36 203.484,210.641 204.334,210.641 204.593,210.9 208.406,210.9 cw(c208.406,210.525) 208.781,210.525 208.781,210.28 ccw(c208.921,210.28) 209.061,210.28 209.061,211.821 cw(c209.436,211.821) 209.811,211.821 209.811,210.28 ccw(c209.951,210.28) 210.091,210.28 210.091,210.525 cw(c210.466,210.525) 210.466,210.9 210.593,210.9 212.125,212.432 215.214,212.432 215.389,212.258 215.533,212.258 215.758,212.033 215.758,211.967 215.91,211.815 v2(216.372,211.815)
  BottomLayer w0.095: v2(199.95,212.675) R120.2@199.95,213.32
DDR3_CKE: IC4.L1 IC8.K9 R122.2 | length 25.4
  TopLayer w0.19: IC8.K9@201.167,212.249 202.379,212.249 R122.2@202.605,212.475 202.25,212.83 202.25,213.332 202.468,213.55 203.3,213.55 203.975,213.55 204.113,213.688 204.251,213.826 cw(c204.389,213.688) 204.527,213.826 204.622,213.731 ccw(c204.76,213.869) 204.898,213.731 ccw(c204.76,213.869) 204.898,214.007 204.665,214.24 204.421,214.484 cw(c204.559,214.622) 204.421,214.76 cw(c204.559,214.622) 204.697,214.76 204.803,214.654 ccw(c204.941,214.791) 205.079,214.654 205.216,214.791 205.225,214.8 205.275,214.85 205.424,214.85 cw(c205.424,214.655) 205.619,214.655 205.619,214.135 ccw(c205.814,214.135) 205.814,213.94 ccw(c205.814,214.135) 206.009,214.135 206.009,214.655 cw(c206.204,214.655) 206.204,214.85 cw(c206.204,214.655) 206.399,214.655 206.399,214.599 ccw(c206.594,214.599) 206.594,214.404 ccw(c206.594,214.599) 206.789,214.599 206.789,214.655 cw(c206.984,214.655) 206.984,214.85 cw(c206.984,214.655) 207.179,214.655 207.179,214.599 ccw(c207.374,214.599) 207.374,214.404 ccw(c207.374,214.599) 207.569,214.599 207.569,214.85 207.569,215.126 cw(c207.764,215.126) 207.764,215.321 cw(c207.764,215.126) 207.959,215.126 207.959,214.85 207.959,214.599 ccw(c208.154,214.599) 208.154,214.404 ccw(c208.154,214.599) 208.349,214.599 208.349,214.85 208.349,215.126 cw(c208.544,215.126) 208.544,215.321 cw(c208.544,215.126) 208.739,215.126 208.739,214.85 208.739,214.599 ccw(c208.934,214.599) 208.934,214.404 ccw(c208.934,214.599) 209.129,214.599 209.129,214.85 209.129,215.126 cw(c209.324,215.126) 209.324,215.321 cw(c209.324,215.126) 209.519,215.126 209.519,214.85 209.519,214.599 ccw(c209.714,214.599) 209.714,214.404 ccw(c209.714,214.599) 209.909,214.599 209.909,214.655 cw(c210.104,214.655) 210.104,214.85 210.569,215.315 210.727,215.315 210.922,215.315 ccw(c210.922,215.51) 211.117,215.51 211.117,215.841 cw(c211.312,215.841) 211.312,216.036 cw(c211.312,215.841) 211.507,215.841 211.507,215.315 211.507,215.295 ccw(c211.702,215.295) 211.702,215.1 ccw(c211.702,215.295) 211.897,215.295 211.897,215.315 211.897,215.841 cw(c212.092,215.841) 212.092,216.036 cw(c212.092,215.841) 212.287,215.841 212.287,215.51 ccw(c212.482,215.51) 212.482,215.315 212.677,215.315 IC4.L1@212.872,215.315
DDR3_DQ0: IC4.G3 IC8.E3 | length 21
  TopLayer w0.19: IC8.E3@196.367,216.249 196.391,216.225 196.891,216.725 v2(197.575,216.725) ; v2(214.372,219.815) IC4.G3@214.872,219.315
  SignalLayer1 w0.24: v2(197.575,216.725) 197.575,218.104 198.116,218.645 200.94,218.645 201.445,219.15 209.805,219.15 210.125,219.47 212.743,219.47 213.088,219.815 v2(214.372,219.815)
DDR3_DQ1: IC4.J1 IC8.F7 | length 23.6
  TopLayer w0.19: IC8.F7@199.567,215.449 199.975,215.041 201.336,215.041 201.511,214.866 201.859,214.866 202.027,215.034 202.303,215.31 202.441,215.448 ccw(c202.303,215.586) 202.441,215.723 202.319,215.846 cw(c202.456,215.984) 202.319,216.122 cw(c202.456,215.984) 202.594,216.122 202.717,215.999 ; 202.717,215.999 ccw(c202.855,216.137) 202.993,215.999 203.13,216.137 203.268,216.275 203.371,216.275 ccw(c203.371,216.367) 203.463,216.367 cw(c203.658,216.367) 203.658,216.562 cw(c203.658,216.367) 203.853,216.367 203.853,216.275 203.853,215.99 ccw(c204.048,215.99) 204.048,215.795 ccw(c204.048,215.99) 204.243,215.99 204.243,216.275 204.243,216.864 cw(c204.438,216.864) 204.438,217.059 cw(c204.438,216.864) 204.633,216.864 204.633,216.47 ccw(c204.828,216.47) 204.828,216.275 ccw(c204.828,216.47) 205.023,216.47 205.023,216.864 cw(c205.218,216.864) 205.218,217.059 cw(c205.218,216.864) 205.413,216.864 205.413,216.47 ccw(c205.608,216.47) 205.608,216.275 ccw(c205.608,216.47) 205.803,216.47 205.803,216.864 cw(c205.998,216.864) 205.998,217.059 cw(c205.998,216.864) 206.193,216.864 206.193,216.47 ccw(c206.388,216.47) 206.388,216.275 ccw(c206.388,216.47) 206.583,216.47 206.583,216.714 cw(c206.778,216.714) 206.778,216.909 cw(c206.778,216.714) 206.973,216.714 206.973,216.47 ccw(c207.168,216.47) 207.168,216.275 207.25,216.275 207.275,216.275 cw(c207.275,216.117) 207.433,216.117 207.433,216.074 ccw(c207.628,216.074) 207.628,215.879 ccw(c207.628,216.074) 207.823,216.074 207.823,216.08 cw(c208.018,216.08) 208.018,216.275 cw(c208.018,216.08) 208.213,216.08 208.213,216.074 ccw(c208.408,216.074) 208.408,215.879 ccw(c208.408,216.074) 208.603,216.074 208.603,216.275 208.603,216.297 cw(c208.798,216.297) 208.798,216.492 cw(c208.798,216.297) 208.993,216.297 208.993,216.275 208.993,216.074 ccw(c209.188,216.074) 209.188,215.879 ccw(c209.188,216.074) 209.383,216.074 209.383,216.08 cw(c209.578,216.08) 209.578,216.275 210.328,217.025 210.523,217.025 210.718,217.025 cw(c210.718,216.83) 210.913,216.83 210.913,216.789 ccw(c211.108,216.789) 211.108,216.594 ccw(c211.108,216.789) 211.303,216.789 211.303,216.83 cw(c211.498,216.83) 211.498,217.025 211.693,217.025 212,217.025 212.427,217.025 212.717,217.315 IC4.J1@212.872,217.315
DDR3_DQ2: IC4.H4 IC8.F2 | length 22.8
  TopLayer w0.19: IC8.F2@195.567,215.449 195.968,215.85 196.625,215.85 v2(196.95,216.175) ; v2(215.372,218.815) IC4.H4@215.872,218.315
  MidLayer2 w0.24: v2(196.95,216.175) 199.664,216.175 199.791,216.302 201.164,216.302 201.726,215.741 202.291,215.741 204.6,218.05 211.725,218.05 213,219.325 214.862,219.325 v2(215.372,218.815)
DDR3_DQ3: IC4.H5 IC8.F8 | length 21.3
  TopLayer w0.19: IC8.F8@200.367,215.449 v2(200.773,215.855) ; v2@216.372,218.815 IC4.H5@216.872,218.315
  SignalLayer1 w0.24: v2(200.773,215.855) 200.897,215.731 200.902,215.735 204.575,215.735 ccw(c204.575,215.975) 204.815,215.975 204.815,216.004 cw(c205.055,216.004) 205.055,216.244 cw(c205.055,216.004) 205.295,216.004 205.295,215.735 205.295,215.539 ccw(c205.535,215.539) 205.535,215.299 ccw(c205.535,215.539) 205.775,215.539 205.775,215.735 205.775,216.004 cw(c206.015,216.004) 206.015,216.244 cw(c206.015,216.004) 206.255,216.004 206.255,215.735 206.255,215.539 ccw(c206.495,215.539) 206.495,215.299 ccw(c206.495,215.539) 206.735,215.539 206.735,215.495 cw(c206.975,215.495) 206.975,215.735 207.675,215.735 209.01,215.735 209.645,216.37 210.05,216.37 213.475,216.37 213.556,216.37 213.927,216.741 213.927,216.999 214.243,217.315 214.501,217.315 214.817,217.631 214.817,217.992 215.15,218.325 215.775,218.325 216.265,218.815 v2(216.272,218.815)
DDR3_DQ4: IC4.H2 IC8.H3 | length 22
  TopLayer w0.19: IC8.H3@196.367,213.849 196.37,213.849 196.882,214.36 v2(196.885,214.36) ; v2@213.452,218.735 IC4.H2@213.872,218.315
  BottomLayer w0.19: v2(196.885,214.36) 197.365,214.841 197.484,214.841 198.793,216.15 199.4,216.15 199.575,216.325 201.1,216.325 201.659,215.766 203.087,215.766 204.592,217.271 ; v2@213.362,218.825 212.55,218.825 211.74,218.015 206.388,218.015 ; 204.592,217.271 cw(c206.388,215.475) 206.388,218.015 ; 204.592,217.271 cw(c206.388,215.475) 206.388,218.015
  other v2: 213.4,218.825
DDR3_DQ5: IC4.K1 IC8.H8 | length 22.9
  TopLayer w0.19: IC8.H8@200.367,213.849 200.751,214.233 201.968,214.233 202.136,214.065 203.036,214.065 203.186,214.214 ccw(c203.048,214.352) 203.186,214.49 202.67,215.006 cw(c202.807,215.144) 202.67,215.282 cw(c202.807,215.144) 202.945,215.282 203.599,214.628 203.752,214.475 ccw(c203.89,214.613) 204.028,214.475 ccw(c203.89,214.613) 204.028,214.751 203.875,214.904 203.221,215.558 cw(c203.359,215.696) 203.221,215.833 cw(c203.359,215.696) 203.497,215.833 204.013,215.318 ccw(c204.151,215.455) 204.289,215.318 204.426,215.455 204.5,215.529 204.571,215.6 ccw(c204.571,215.795) 204.766,215.795 204.766,215.801 cw(c204.961,215.801) 204.961,215.996 cw(c204.961,215.801) 205.156,215.801 205.156,215.6 205.156,215.324 ccw(c205.351,215.324) 205.351,215.129 ccw(c205.351,215.324) 205.546,215.324 205.546,215.6 205.546,215.801 cw(c205.741,215.801) 205.741,215.996 cw(c205.741,215.801) 205.936,215.801 205.936,215.6 205.936,215.32 ccw(c206.131,215.32) 206.131,215.125 ccw(c206.131,215.32) 206.326,215.32 206.326,215.6 206.326,215.801 cw(c206.521,215.801) 206.521,215.996 cw(c206.521,215.801) 206.716,215.801 206.716,215.6 206.716,215.32 ccw(c206.911,215.32) 206.911,215.125 ccw(c206.911,215.32) 207.106,215.32 207.106,215.405 cw(c207.301,215.405) 207.301,215.6 207.496,215.6 207.875,215.6 208.1,215.6 209.879,215.6 210.594,216.315 211.2,216.315 211.721,216.315 ccw(c211.721,216.51) 211.916,216.51 211.916,216.551 cw(c212.111,216.551) 212.111,216.746 cw(c212.111,216.551) 212.306,216.551 212.306,216.51 ccw(c212.501,216.51) 212.501,216.315 212.696,216.315 IC4.K1@212.872,216.315
DDR3_DQ6: IC4.H3 IC8.G2 | length 21.3
  TopLayer w0.19: IC8.G2@195.567,214.649 v2(195.95,215.032) ; v2(214.25,218.825) 214.275,218.825 214.785,218.315 IC4.H3@214.872,218.315
  SignalLayer1 w0.24: v2(195.95,215.032) 196.648,215.73 197.134,215.73 197.429,216.025 197.925,216.025 199.48,217.58 200.005,217.58 200.33,217.905 201.247,217.905 201.272,217.931 206.05,217.931 206.066,217.914 207.379,217.914 207.42,217.956 207.851,217.956 207.856,217.95 209.6,217.95 209.7,217.85 211.771,217.85 212.166,218.245 213.325,218.245 213.67,218.245 v2(214.25,218.825)
DDR3_DQ7: IC4.J5 IC8.H7 | length 20.4
  TopLayer w0.19: v2(199.1,214.279) 199.119,214.279 199.548,213.849 IC8.H7@199.567,213.849 ; v2(216.372,217.815) IC4.J5@216.872,217.315
  SignalLayer1 w0.24: v2(199.1,214.279) 199.325,214.279 199.886,214.841 201.869,214.841 201.959,214.93 209.805,214.93 210.25,215.375 213.575,215.375 213.927,215.727 213.927,215.999 214.243,216.315 214.501,216.315 214.817,216.631 214.817,216.889 215.196,217.268 215.825,217.268 v2(216.372,217.815)
DDR3_DQ8: IC4.G1 IC8.D7 | length 22.5
  TopLayer w0.19: IC8.D7@199.567,217.049 199.91,216.706 200.168,216.706 200.208,216.665 203.286,216.665 203.996,217.375 204.025,217.375 204.095,217.375 ccw(c204.095,217.57) 204.29,217.57 204.29,217.626 cw(c204.485,217.626) 204.485,217.821 cw(c204.485,217.626) 204.68,217.626 204.68,217.57 ccw(c204.875,217.57) 204.875,217.375 ccw(c204.875,217.57) 205.07,217.57 205.07,217.626 cw(c205.265,217.626) 205.265,217.821 cw(c205.265,217.626) 205.46,217.626 205.46,217.57 ccw(c205.655,217.57) 205.655,217.375 ccw(c205.655,217.57) 205.85,217.57 205.85,217.626 cw(c206.045,217.626) 206.045,217.821 cw(c206.045,217.626) 206.24,217.626 206.24,217.57 ccw(c206.435,217.57) 206.435,217.375 206.63,217.375 206.825,217.375 207.325,216.875 207.525,216.875 207.72,216.875 207.984,216.875 cw(c207.984,216.749) 208.11,216.749 ccw(c208.305,216.749) 208.305,216.554 ccw(c208.305,216.749) 208.5,216.749 208.5,216.875 208.5,217.626 cw(c208.695,217.626) 208.695,217.821 cw(c208.695,217.626) 208.89,217.626 208.89,217.07 ccw(c209.085,217.07) 209.085,216.875 209.096,216.875 209.596,217.375 209.78,217.375 ccw(c209.78,217.57) 209.975,217.57 209.975,218.3 cw(c210.17,218.3) 210.17,218.495 cw(c210.17,218.3) 210.365,218.3 210.365,217.57 ccw(c210.56,217.57) 210.56,217.375 210.755,217.375 210.95,217.375 211.034,217.459 211.172,217.597 cw(c211.31,217.459) 211.448,217.597 211.667,217.378 ccw(c211.805,217.516) 211.943,217.378 ccw(c211.805,217.516) 211.943,217.653 211.586,218.011 211.554,218.042 cw(c211.692,218.18) 211.554,218.318 cw(c211.692,218.18) 211.83,218.318 211.861,218.286 211.936,218.212 ccw(c212.074,218.35) 212.212,218.212 ccw(c212.074,218.35) 212.212,218.487 cw(c212.287,218.562) 212.212,218.637 212.275,218.7 212.872,219.297 IC4.G1@212.872,219.315
DDR3_DQ9: IC4.B1 IC8.C3 | length 23.5
  TopLayer w0.19: IC8.C3@196.367,217.849 197.143,218.625 ccw(c197.009,218.759) 197.143,218.894 196.944,219.093 cw(c197.078,219.227) 196.944,219.361 cw(c197.078,219.227) 197.213,219.361 197.546,219.028 197.935,218.639 ccw(c198.07,218.773) 198.204,218.639 ccw(c198.07,218.773) 198.204,218.908 197.815,219.297 197.481,219.63 cw(c197.616,219.764) 197.481,219.899 cw(c197.616,219.764) 197.75,219.899 198.083,219.565 198.31,219.338 ccw(c198.445,219.473) 198.579,219.338 ccw(c198.445,219.473) 198.579,219.607 198.487,219.7 cw(c198.621,219.834) 198.487,219.969 199.072,220.553 200.243,221.725 208.325,221.725 210.925,224.325 212.862,224.325 IC4.B1@212.872,224.315
DDR3_DQ10: IC4.F1 IC8.C8 | length 23
  TopLayer w0.19: IC8.C8@200.367,217.849 200.759,218.241 201.963,218.241 202.9,218.241 203.779,219.12 203.825,219.12 204.051,219.12 204.246,219.12 ccw(c204.246,219.315) 204.441,219.315 204.441,219.401 cw(c204.636,219.401) 204.636,219.596 cw(c204.636,219.401) 204.831,219.401 204.831,219.12 204.831,218.574 ccw(c205.026,218.574) 205.026,218.379 ccw(c205.026,218.574) 205.221,218.574 205.221,219.12 205.221,219.401 cw(c205.416,219.401) 205.416,219.596 cw(c205.416,219.401) 205.611,219.401 205.611,219.12 205.611,218.574 ccw(c205.806,218.574) 205.806,218.379 ccw(c205.806,218.574) 206.001,218.574 206.001,219.12 206.001,219.401 cw(c206.196,219.401) 206.196,219.596 cw(c206.196,219.401) 206.391,219.401 206.391,219.12 206.391,219.087 ccw(c206.586,219.087) 206.586,218.892 ccw(c206.586,219.087) 206.781,219.087 206.781,219.12 206.781,219.401 cw(c206.976,219.401) 206.976,219.596 cw(c206.976,219.401) 207.171,219.401 207.171,219.315 ccw(c207.366,219.315) 207.366,219.12 ccw(c207.366,219.315) 207.561,219.315 207.561,219.401 cw(c207.756,219.401) 207.756,219.596 cw(c207.756,219.401) 207.951,219.401 207.951,219.12 207.951,218.574 ccw(c208.146,218.574) 208.146,218.379 ccw(c208.146,218.574) 208.341,218.574 208.341,219.12 208.341,219.401 cw(c208.536,219.401) 208.536,219.596 cw(c208.536,219.401) 208.731,219.401 208.731,219.315 ccw(c208.926,219.315) 208.926,219.12 209.121,219.12 209.316,219.12 209.743,219.547 210.176,219.98 210.197,219.98 ccw(c210.197,220.225) 210.442,220.225 210.442,220.367 cw(c210.687,220.367) 210.687,220.612 cw(c210.687,220.367) 210.932,220.367 210.932,220.225 ccw(c211.177,220.225) 211.177,219.98 211.422,219.98 211.667,219.98 212.002,220.315 IC4.F1@212.872,220.315
DDR3_DQ11: IC4.F3 IC8.C2 | length 22
  TopLayer w0.19: v2(195.225,218.191) IC8.C2@195.567,217.849 ; v2(214.372,220.815) IC4.F3@214.872,220.315
  MidLayer2 w0.24: v2(195.225,218.191) 196.284,218.191 197,217.475 199.45,217.475 201.5,219.525 210.997,219.525 211.797,220.325 213.882,220.325 v2(214.372,220.815)
DDR3_DQ12: IC4.C2 IC8.A7 | length 23.5
  TopLayer w0.19: IC8.A7@199.567,219.449 200.93,220.812 205.238,220.812 205.345,220.705 208.568,220.705 208.742,220.879 ccw(c208.608,221.014) 208.742,221.148 208.625,221.265 cw(c208.76,221.399) 208.625,221.534 cw(c208.76,221.399) 208.894,221.534 209.145,221.282 209.444,220.984 ccw(c209.578,221.118) 209.712,220.984 ccw(c209.578,221.118) 209.712,221.253 209.414,221.551 209.163,221.802 cw(c209.297,221.937) 209.163,222.071 cw(c209.297,221.937) 209.431,222.071 209.683,221.82 209.981,221.521 ccw(c210.115,221.656) 210.25,221.521 ccw(c210.115,221.656) 210.25,221.79 209.951,222.088 209.7,222.34 cw(c209.834,222.474) 209.7,222.608 cw(c209.834,222.474) 209.969,222.608 210.22,222.357 210.378,222.199 ccw(c210.512,222.334) 210.647,222.199 ccw(c210.512,222.334) 210.647,222.468 210.489,222.626 210.238,222.877 cw(c210.372,223.011) 210.238,223.146 cw(c210.372,223.011) 210.506,223.146 210.623,223.029 ccw(c210.757,223.163) 210.892,223.029 ccw(c210.757,223.163) 210.892,223.298 210.775,223.414 cw(c210.909,223.549) 210.775,223.683 cw(c210.909,223.549) 211.044,223.683 211.16,223.566 ccw(c211.295,223.701) 211.429,223.566 211.563,223.701 211.698,223.835 212.659,223.835 212.669,223.825 213.362,223.825 IC4.C2@213.872,223.315
DDR3_DQ13: IC4.A1 IC8.A2 | length 23.5
  TopLayer w0.19: IC8.A2@195.567,219.449 195.567,219.667 195.95,220.05 ccw(c195.814,220.186) 195.95,220.321 195.63,220.641 cw(c195.768,220.779) 195.63,220.917 cw(c195.768,220.779) 195.906,220.917 196.223,220.599 ccw(c196.361,220.737) 196.499,220.599 196.637,220.737 196.775,220.875 196.873,220.973 ccw(c196.735,221.111) 196.873,221.248 196.555,221.566 cw(c196.693,221.704) 196.555,221.842 cw(c196.693,221.704) 196.831,221.842 197.286,221.386 197.424,221.248 ccw(c197.562,221.386) 197.7,221.248 ccw(c197.562,221.386) 197.7,221.524 cw(c197.838,221.662) 197.7,221.8 199.4,223.5 203,223.5 203.15,223.35 207.475,223.35 209.75,225.625 212.562,225.625 IC4.A1@212.872,225.315
DDR3_DQ14: IC4.D2 IC8.B8 | length 23
  TopLayer w0.19: IC8.B8@200.367,218.649 200.783,219.065 201.326,219.065 201.342,219.081 201.475,219.081 ccw(c201.475,219.276) 201.67,219.276 201.67,220.338 cw(c201.865,220.338) 201.865,220.533 cw(c201.865,220.338) 202.06,220.338 202.06,219.276 ccw(c202.255,219.276) 202.255,219.081 202.45,219.081 202.981,219.081 203.775,219.875 203.875,219.875 ccw(c203.875,220.07) 204.07,220.07 204.07,220.338 cw(c204.265,220.338) 204.265,220.533 cw(c204.265,220.338) 204.46,220.338 204.46,220.07 ccw(c204.655,220.07) 204.655,219.875 ccw(c204.655,220.07) 204.85,220.07 204.85,220.338 cw(c205.045,220.338) 205.045,220.533 cw(c205.045,220.338) 205.24,220.338 205.24,220.07 ccw(c205.435,220.07) 205.435,219.875 ccw(c205.435,220.07) 205.63,220.07 205.63,220.231 cw(c205.825,220.231) 205.825,220.426 cw(c205.825,220.231) 206.02,220.231 206.02,220.07 ccw(c206.215,220.07) 206.215,219.875 ccw(c206.215,220.07) 206.41,220.07 206.41,220.231 cw(c206.605,220.231) 206.605,220.426 cw(c206.605,220.231) 206.8,220.231 206.8,220.07 ccw(c206.995,220.07) 206.995,219.875 ccw(c206.995,220.07) 207.19,220.07 207.19,220.231 cw(c207.385,220.231) 207.385,220.426 cw(c207.385,220.231) 207.58,220.231 207.58,220.07 ccw(c207.775,220.07) 207.775,219.875 ccw(c207.775,220.07) 207.97,220.07 207.97,220.231 cw(c208.165,220.231) 208.165,220.426 cw(c208.165,220.231) 208.36,220.231 208.36,220.07 ccw(c208.555,220.07) 208.555,219.875 208.75,219.875 208.925,219.875 209.05,219.875 209.095,219.875 211.15,221.93 211.617,221.93 212.502,222.815 213.372,222.815 IC4.D2@213.872,222.315
DDR3_DQ15: IC4.B2 IC8.A3 | length 23.4
  TopLayer w0.19: IC8.A3@196.367,219.449 199.543,222.625 201.5,222.625 ccw(c201.5,222.815) 201.69,222.815 201.69,222.951 cw(c201.88,222.951) 201.88,223.141 cw(c201.88,222.951) 202.07,222.951 202.07,222.625 202.07,222.274 ccw(c202.26,222.274) 202.26,222.084 ccw(c202.26,222.274) 202.45,222.274 202.45,222.625 202.45,222.951 cw(c202.64,222.951) 202.64,223.141 cw(c202.64,222.951) 202.83,222.951 202.83,222.625 202.83,222.274 ccw(c203.02,222.274) 203.02,222.084 206.084,222.084 207,223 208.475,223 210.5,225.025 212.09,225.025 212.3,224.815 213.372,224.815 IC4.B2@213.872,224.315